# KiCad board TEST.kicad_pcb
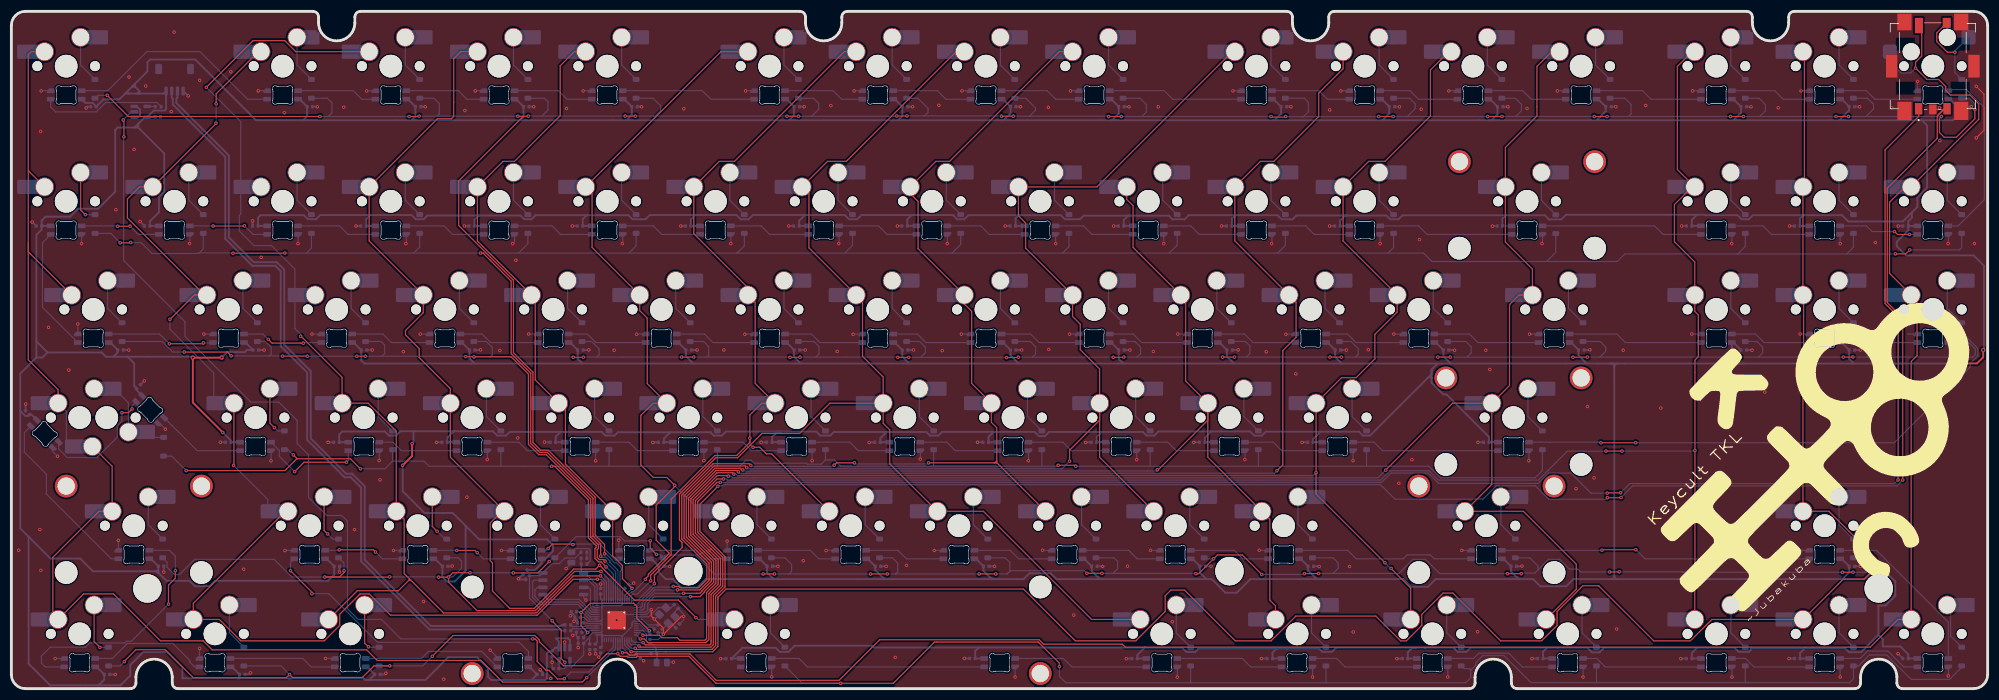
[diagram p0: board, top side]
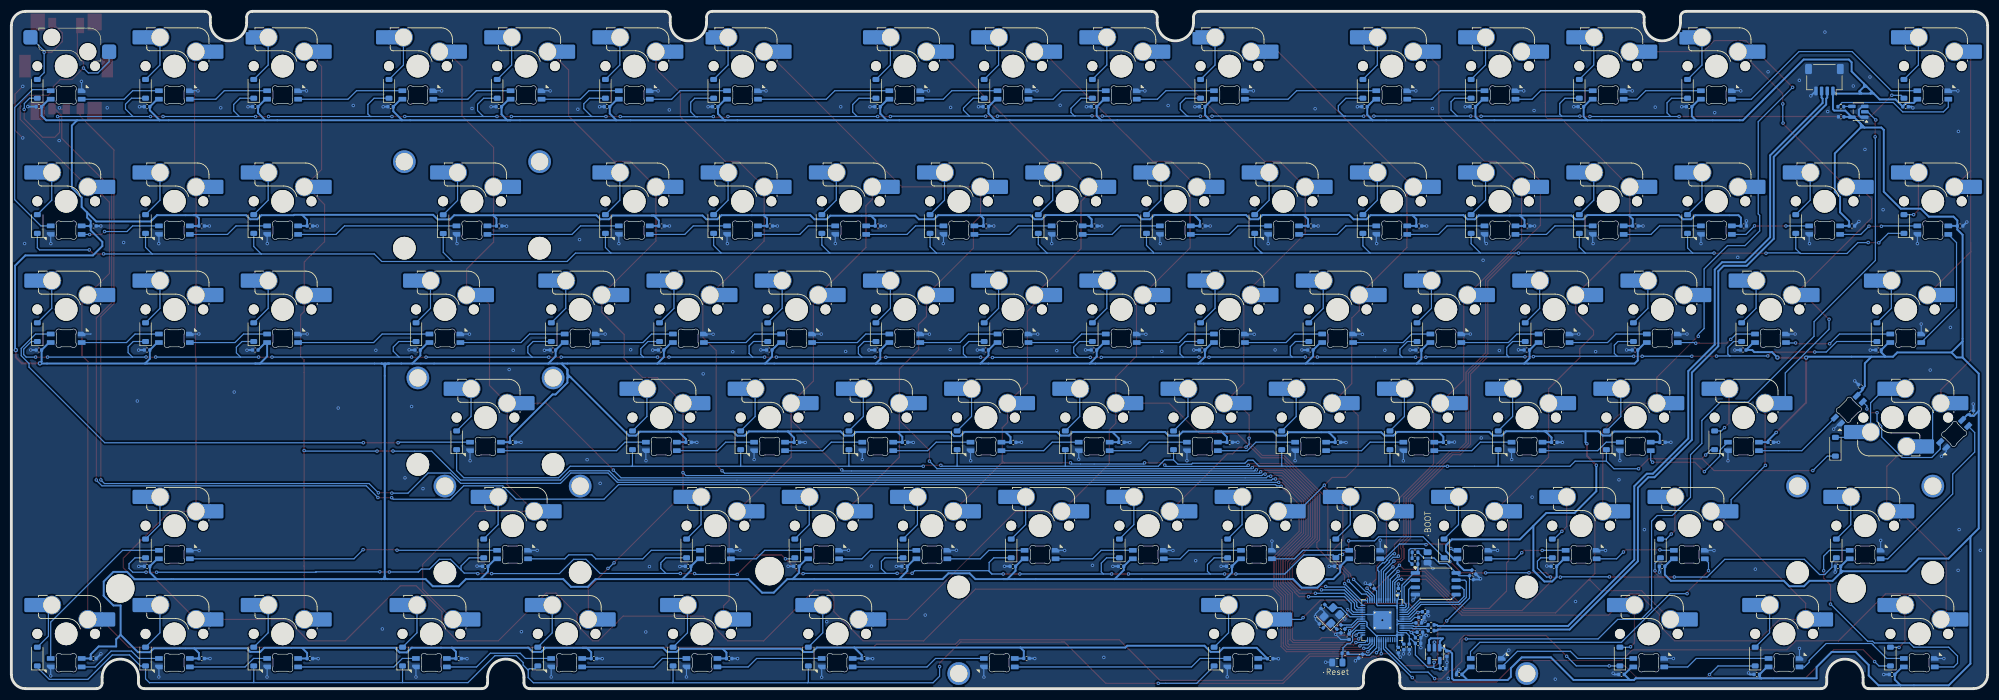
[diagram p1: board, bottom side, seen from below]

Outline 347.91 x 119.31 mm; copper layers: Top, Bottom. Coordinates in mm from the lower left corner of the outline.
Outline path: 0,116.81 arc(0.73,118.58) 2.5,119.31 53.08,119.31 arc(53.78,119.02) 54.08,118.31 54.08,117.31 arc(57.28,114.11) 60.48,117.31 60.48,118.31 arc(60.77,119.02) 61.47,119.31 138.8,119.31 arc(139.51,119.02) 139.8,118.31 139.8,117.31 arc(143,114.11) 146.2,117.31 146.2,118.31 arc(146.49,119.02) 147.2,119.31 224.53,119.31 arc(225.23,119.02) 225.53,118.31 225.53,117.31 arc(228.73,114.11) 231.93,117.31 231.93,118.31 arc(232.22,119.02) 232.92,119.31 305.49,119.31 arc(306.19,119.02) 306.49,118.31 306.49,117.31 arc(309.69,114.11) 312.89,117.31 312.89,118.31 arc(313.18,119.02) 313.89,119.31 345.41,119.31 arc(347.18,118.58) 347.91,116.81 347.91,2.5 arc(347.18,0.73) 345.41,0 332.94,0 arc(332.23,0.29) 331.94,1 331.94,2 arc(328.74,5.2) 325.54,2 325.54,1 arc(325.24,0.29) 324.54,0 265.07,0 arc(264.36,0.29) 264.07,1 264.07,2.01 arc(260.87,5.2) 257.67,2 257.67,1 arc(257.37,0.29) 256.66,0 110.89,0 arc(110.18,0.29) 109.89,1 109.89,2 arc(106.69,5.2) 103.49,2 103.49,1 arc(103.19,0.29) 102.49,0 29.33,0 arc(28.62,0.29) 28.33,1 28.33,2 arc(25.13,5.2) 21.93,2 21.93,1 arc(21.64,0.29) 20.93,0 2.5,0 arc(0.73,0.73) 0,2.5 0,116.81
Stack: Top 0.035mm / dielectric 1.51mm FR4 er 4.5 / Bottom 0.035mm

## Placement (name value [footprint] x y rotation side)
C1  100n  [C_0402_1005Metric]  25.79 100.73 180 bottom
C2  1u  [C_0402_1005Metric]  100.26 8.97 180 bottom
C3  100n  [C_0402_1005Metric]  99.02 13.54 180 bottom
C4  100n  [C_0402_1005Metric]  112.41 9.14 270 bottom
C5  100n  [C_0402_1005Metric]  99.95 9.95 180 bottom
C6  1u  [C_0402_1005Metric]  101.81 7.37 270 bottom
C7  100n  [C_0402_1005Metric]  110.37 5.72 315 bottom
C8  100n  [C_0402_1005Metric]  103.74 17.16 90 bottom
C9  100n  [C_0402_1005Metric]  113.5 10.16 315 bottom
C10  100n  [C_0402_1005Metric]  102.78 7.36 270 bottom
C11  100n  [C_0402_1005Metric]  108.36 18 45 bottom
C12  100n  [C_0402_1005Metric]  100.15 11.58 180 bottom
C13  100n  [C_0402_1005Metric]  100.27 7.98 180 bottom
C14  100n  [C_0402_1005Metric]  99.67 12.55 180 bottom
C15  100n  [C_0402_1005Metric]  103.75 6.78 270 bottom
C16  1u  [C_0402_1005Metric]  90.87 19.56 225 bottom
C17  10u  [C_0402_1005Metric]  95.89 3.52 180 bottom
C18  10u  [C_0402_1005Metric]  95.2 6.16 270 bottom
C19  22p  [C_0402_1005Metric]  117.3 11.05 225 bottom
C20  22p  [C_0402_1005Metric]  117.03 14.47 135 bottom
C-RGB1  100n  [C_0402_1005Metric]  14.45 102.52 0 bottom
C-RGB2  100n  [C_0402_1005Metric]  52.55 102.52 180 bottom
C-RGB3  100n  [C_0402_1005Metric]  71.6 102.52 180 bottom
C-RGB4  100n  [C_0402_1005Metric]  90.65 102.52 180 bottom
C-RGB5  100n  [C_0402_1005Metric]  109.7 102.52 180 bottom
C-RGB6  100n  [C_0402_1005Metric]  138.27 102.52 180 bottom
C-RGB7  100n  [C_0402_1005Metric]  157.33 102.52 180 bottom
C-RGB8  100n  [C_0402_1005Metric]  176.38 102.52 180 bottom
C-RGB9  100n  [C_0402_1005Metric]  195.43 102.52 180 bottom
C-RGB10  100n  [C_0402_1005Metric]  224 102.52 180 bottom
C-RGB11  100n  [C_0402_1005Metric]  243.05 102.52 180 bottom
C-RGB12  100n  [C_0402_1005Metric]  262.1 102.52 180 bottom
C-RGB13  100n  [C_0402_1005Metric]  281.15 102.52 180 bottom
C-RGB14  100n  [C_0402_1005Metric]  304.97 102.52 180 bottom
C-RGB15  100n  [C_0402_1005Metric]  324.02 102.52 180 bottom
C-RGB16  100n  [C_0402_1005Metric]  343.07 102.52 180 bottom
C-RGB17  100n  [C_0402_1005Metric]  4.85 81.5 0 bottom
C-RGB18  100n  [C_0402_1005Metric]  23.9 81.5 0 bottom
C-RGB19  100n  [C_0402_1005Metric]  42.95 81.5 0 bottom
C-RGB20  100n  [C_0402_1005Metric]  62 81.5 0 bottom
C-RGB21  100n  [C_0402_1005Metric]  81.05 81.5 0 bottom
C-RGB22  100n  [C_0402_1005Metric]  100.1 81.5 0 bottom
C-RGB23  100n  [C_0402_1005Metric]  119.15 81.5 0 bottom
C-RGB24  100n  [C_0402_1005Metric]  138.2 81.5 0 bottom
C-RGB25  100n  [C_0402_1005Metric]  157.25 81.5 0 bottom
C-RGB26  100n  [C_0402_1005Metric]  176.3 81.5 0 bottom
C-RGB27  100n  [C_0402_1005Metric]  195.35 81.5 0 bottom
C-RGB28  100n  [C_0402_1005Metric]  214.4 81.5 0 bottom
C-RGB29  100n  [C_0402_1005Metric]  233.45 81.5 0 bottom
C-RGB31  100n  [C_0402_1005Metric]  262.03 81.5 0 bottom
C-RGB32  100n  [C_0402_1005Metric]  295.36 81.5 0 bottom
C-RGB33  100n  [C_0402_1005Metric]  314.41 81.5 0 bottom
C-RGB34  100n  [C_0402_1005Metric]  333.46 81.5 0 bottom
C-RGB35  100n  [C_0402_1005Metric]  19.21 59.65 180 bottom
C-RGB36  100n  [C_0402_1005Metric]  43.02 59.65 180 bottom
C-RGB37  100n  [C_0402_1005Metric]  62.07 59.65 180 bottom
C-RGB38  100n  [C_0402_1005Metric]  81.12 59.65 180 bottom
C-RGB39  100n  [C_0402_1005Metric]  100.17 59.65 180 bottom
C-RGB40  100n  [C_0402_1005Metric]  119.22 59.65 180 bottom
C-RGB41  100n  [C_0402_1005Metric]  138.27 59.65 180 bottom
C-RGB42  100n  [C_0402_1005Metric]  157.33 59.65 180 bottom
C-RGB43  100n  [C_0402_1005Metric]  176.38 59.65 180 bottom
C-RGB44  100n  [C_0402_1005Metric]  195.43 59.65 180 bottom
C-RGB45  100n  [C_0402_1005Metric]  214.48 59.65 180 bottom
C-RGB46  100n  [C_0402_1005Metric]  233.53 59.65 180 bottom
C-RGB47  100n  [C_0402_1005Metric]  252.58 59.65 180 bottom
C-RGB48  100n  [C_0402_1005Metric]  276.39 59.65 180 bottom
C-RGB49  100n  [C_0402_1005Metric]  304.97 59.65 180 bottom
C-RGB50  100n  [C_0402_1005Metric]  324.02 59.65 180 bottom
C-RGB51  100n  [C_0402_1005Metric]  343.07 59.65 180 bottom
C-RGB52  100n  [C_0402_1005Metric]  22.38 53.2 225 bottom
C-RGB53  100n  [C_0402_1005Metric]  2.84 48.61 315 bottom
C-RGB54  100n  [C_0402_1005Metric]  38.19 43.4 0 bottom
C-RGB55  100n  [C_0402_1005Metric]  57.24 43.4 0 bottom
C-RGB56  100n  [C_0402_1005Metric]  76.29 43.4 0 bottom
C-RGB57  100n  [C_0402_1005Metric]  95.34 43.4 0 bottom
C-RGB58  100n  [C_0402_1005Metric]  114.39 43.4 0 bottom
C-RGB59  100n  [C_0402_1005Metric]  133.44 43.4 0 bottom
C-RGB60  100n  [C_0402_1005Metric]  152.49 43.4 0 bottom
C-RGB61  100n  [C_0402_1005Metric]  171.54 43.4 0 bottom
C-RGB62  100n  [C_0402_1005Metric]  190.59 43.4 0 bottom
C-RGB63  100n  [C_0402_1005Metric]  209.64 43.4 0 bottom
C-RGB64  100n  [C_0402_1005Metric]  228.69 43.4 0 bottom
C-RGB65  100n  [C_0402_1005Metric]  259.64 43.4 0 bottom
C-RGB66  100n  [C_0402_1005Metric]  26.35 21.55 180 bottom
C-RGB67  100n  [C_0402_1005Metric]  57.31 21.55 180 bottom
C-RGB68  100n  [C_0402_1005Metric]  76.36 21.55 180 bottom
C-RGB69  100n  [C_0402_1005Metric]  90.46 20.53 45 bottom
C-RGB70  100n  [C_0402_1005Metric]  114.46 21.55 180 bottom
C-RGB71  100n  [C_0402_1005Metric]  133.51 21.55 180 bottom
C-RGB72  100n  [C_0402_1005Metric]  152.56 21.55 180 bottom
C-RGB73  100n  [C_0402_1005Metric]  171.61 21.55 180 bottom
C-RGB74  100n  [C_0402_1005Metric]  190.66 21.55 180 bottom
C-RGB75  100n  [C_0402_1005Metric]  209.71 21.55 180 bottom
C-RGB76  100n  [C_0402_1005Metric]  228.76 21.55 180 bottom
C-RGB77  100n  [C_0402_1005Metric]  264.48 21.55 180 bottom
C-RGB78  100n  [C_0402_1005Metric]  324.02 21.55 180 bottom
C-RGB79  100n  [C_0402_1005Metric]  16.83 2.5 180 bottom
C-RGB80  100n  [C_0402_1005Metric]  40.64 2.5 180 bottom
C-RGB81  100n  [C_0402_1005Metric]  64.45 2.5 180 bottom
C-RGB82  100n  [C_0402_1005Metric]  93.03 2.5 180 bottom
C-RGB83  100n  [C_0402_1005Metric]  197.73 5.3 0 bottom
C-RGB84  100n  [C_0402_1005Metric]  221.54 5.3 0 bottom
C-RGB85  100n  [C_0402_1005Metric]  245.36 5.3 0 bottom
C-RGB86  100n  [C_0402_1005Metric]  269.17 5.3 0 bottom
C-RGB87  100n  [C_0402_1005Metric]  295.36 5.3 0 bottom
C-RGB88  100n  [C_0402_1005Metric]  314.41 5.3 0 bottom
C-RGB89  100n  [C_0402_1005Metric]  333.46 5.3 0 bottom
C-RGB90  100n  [C_0402_1005Metric]  169.2 5.33 0 bottom
C-RGB92  100n  [C_0402_1005Metric]  126.3 5.28 0 bottom
D1  1N4148W  [D_SOD-123]  14.73 105.66 90 bottom
D2  1N4148W  [D_SOD-123]  52.83 105.66 90 bottom
D3  1N4148W  [D_SOD-123]  71.88 105.66 90 bottom
D4  1N4148W  [D_SOD-123]  90.93 105.66 90 bottom
D5  1N4148W  [D_SOD-123]  109.98 105.66 90 bottom
D6  1N4148W  [D_SOD-123]  138.56 105.66 90 bottom
D7  1N4148W  [D_SOD-123]  157.61 105.66 90 bottom
D8  1N4148W  [D_SOD-123]  176.66 105.66 90 bottom
D9  1N4148W  [D_SOD-123]  195.71 105.66 90 bottom
D10  1N4148W  [D_SOD-123]  224.28 105.66 90 bottom
D11  1N4148W  [D_SOD-123]  243.33 105.66 90 bottom
D12  1N4148W  [D_SOD-123]  262.38 105.66 90 bottom
D13  1N4148W  [D_SOD-123]  281.43 105.66 90 bottom
D14  1N4148W  [D_SOD-123]  305.24 105.66 90 bottom
D15  1N4148W  [D_SOD-123]  324.29 105.66 90 bottom
D16  1N4148W  [D_SOD-123]  343.34 105.66 90 bottom
D17  1N4148W  [D_SOD-123]  14.73 81.85 90 bottom
D18  1N4148W  [D_SOD-123]  33.78 81.85 90 bottom
D19  1N4148W  [D_SOD-123]  52.83 81.85 90 bottom
D20  1N4148W  [D_SOD-123]  71.88 81.85 90 bottom
D21  1N4148W  [D_SOD-123]  90.93 81.85 90 bottom
D22  1N4148W  [D_SOD-123]  109.98 81.85 90 bottom
D23  1N4148W  [D_SOD-123]  129.03 81.85 90 bottom
D24  1N4148W  [D_SOD-123]  148.08 81.85 90 bottom
D25  1N4148W  [D_SOD-123]  167.13 81.85 90 bottom
D26  1N4148W  [D_SOD-123]  186.18 81.85 90 bottom
D27  1N4148W  [D_SOD-123]  205.23 81.85 90 bottom
D28  1N4148W  [D_SOD-123]  224.28 81.85 90 bottom
D29  1N4148W  [D_SOD-123]  243.33 81.85 90 bottom
D31  1N4148W  [D_SOD-123]  271.88 81.83 90 bottom
D32  1N4148W  [D_SOD-123]  305.24 81.85 90 bottom
D33  1N4148W  [D_SOD-123]  324.29 81.85 90 bottom
D34  1N4148W  [D_SOD-123]  343.34 81.85 90 bottom
D35  1N4148W  [D_SOD-123]  19.49 62.8 90 bottom
D36  1N4148W  [D_SOD-123]  43.31 62.8 90 bottom
D37  1N4148W  [D_SOD-123]  62.36 62.8 90 bottom
D38  1N4148W  [D_SOD-123]  81.41 62.8 90 bottom
D39  1N4148W  [D_SOD-123]  100.46 62.8 90 bottom
D40  1N4148W  [D_SOD-123]  119.51 62.8 90 bottom
D41  1N4148W  [D_SOD-123]  138.56 62.8 90 bottom
D42  1N4148W  [D_SOD-123]  157.61 62.8 90 bottom
D43  1N4148W  [D_SOD-123]  176.66 62.8 90 bottom
D44  1N4148W  [D_SOD-123]  195.71 62.8 90 bottom
D45  1N4148W  [D_SOD-123]  214.76 62.8 90 bottom
D46  1N4148W  [D_SOD-123]  233.81 62.8 90 bottom
D47  1N4148W  [D_SOD-123]  252.86 62.8 90 bottom
D48  1N4148W  [D_SOD-123]  276.67 62.8 90 bottom
D49  1N4148W  [D_SOD-123]  305.24 62.8 90 bottom
D50  1N4148W  [D_SOD-123]  324.29 62.8 90 bottom
D51  1N4148W  [D_SOD-123]  343.34 62.8 90 bottom
D53  1N4148W  [D_SOD-123]  26.8 42.61 90 bottom
D54  1N4148W  [D_SOD-123]  48.07 43.75 90 bottom
D55  1N4148W  [D_SOD-123]  67.12 43.75 90 bottom
D56  1N4148W  [D_SOD-123]  86.17 43.75 90 bottom
D57  1N4148W  [D_SOD-123]  105.22 43.75 90 bottom
D58  1N4148W  [D_SOD-123]  124.27 43.75 90 bottom
D59  1N4148W  [D_SOD-123]  143.32 43.75 90 bottom
D60  1N4148W  [D_SOD-123]  162.37 43.75 90 bottom
D61  1N4148W  [D_SOD-123]  181.42 43.75 90 bottom
D62  1N4148W  [D_SOD-123]  200.47 43.75 90 bottom
D63  1N4148W  [D_SOD-123]  219.52 43.75 90 bottom
D64  1N4148W  [D_SOD-123]  238.57 43.75 90 bottom
D65  1N4148W  [D_SOD-123]  269.52 43.75 90 bottom
D66  1N4148W  [D_SOD-123]  26.64 24.7 90 bottom
D67  1N4148W  [D_SOD-123]  57.59 24.7 90 bottom
D68  1N4148W  [D_SOD-123]  76.64 24.7 90 bottom
D69  1N4148W  [D_SOD-123]  95.69 24.7 90 bottom
D70  1N4148W  [D_SOD-123]  114.74 24.7 90 bottom
D71  1N4148W  [D_SOD-123]  133.79 24.7 90 bottom
D72  1N4148W  [D_SOD-123]  152.84 24.7 90 bottom
D73  1N4148W  [D_SOD-123]  171.89 24.7 90 bottom
D74  1N4148W  [D_SOD-123]  190.94 24.7 90 bottom
D75  1N4148W  [D_SOD-123]  209.99 24.7 90 bottom
D76  1N4148W  [D_SOD-123]  229.04 24.7 90 bottom
D77  1N4148W  [D_SOD-123]  264.76 24.7 90 bottom
D78  1N4148W  [D_SOD-123]  324.29 24.7 90 bottom
D79  1N4148W  [D_SOD-123]  17.11 5.65 90 bottom
D80  1N4148W  [D_SOD-123]  40.92 5.65 90 bottom
D81  1N4148W  [D_SOD-123]  64.74 5.65 90 bottom
D82  1N4148W  [D_SOD-123]  136.17 5.65 90 bottom
D83  1N4148W  [D_SOD-123]  207.61 5.65 90 bottom
D84  1N4148W  [D_SOD-123]  231.42 5.65 90 bottom
D85  1N4148W  [D_SOD-123]  255.24 5.65 90 bottom
D86  1N4148W  [D_SOD-123]  279.05 5.65 90 bottom
D87  1N4148W  [D_SOD-123]  305.24 5.65 90 bottom
D88  1N4148W  [D_SOD-123]  324.29 5.65 90 bottom
D89  1N4148W  [D_SOD-123]  343.34 5.65 90 bottom
J1  JST - 1.00mm 4 Pin  [JST_SH_SM04B-SRSS-TB_1x04-1MP_P1.00mm_Horizontal]  28.73 107.28 0 bottom
LED1  MX_SK6812MINI-E  [LED_MX_6028R-ROT]  9.65 104.58 180 bottom
LED2  MX_SK6812MINI-E  [LED_MX_6028R-ROT]  47.75 104.58 180 bottom
LED3  MX_SK6812MINI-E  [LED_MX_6028R-ROT]  66.8 104.58 180 bottom
LED4  MX_SK6812MINI-E  [LED_MX_6028R-ROT]  85.85 104.58 180 bottom
LED5  MX_SK6812MINI-E  [LED_MX_6028R-ROT]  104.9 104.58 180 bottom
LED6  MX_SK6812MINI-E  [LED_MX_6028R-ROT]  133.48 104.58 180 bottom
LED7  MX_SK6812MINI-E  [LED_MX_6028R-ROT]  152.53 104.58 180 bottom
LED8  MX_SK6812MINI-E  [LED_MX_6028R-ROT]  171.58 104.58 180 bottom
LED9  MX_SK6812MINI-E  [LED_MX_6028R-ROT]  190.63 104.58 180 bottom
LED10  MX_SK6812MINI-E  [LED_MX_6028R-ROT]  219.2 104.58 180 bottom
LED11  MX_SK6812MINI-E  [LED_MX_6028R-ROT]  238.25 104.58 180 bottom
LED12  MX_SK6812MINI-E  [LED_MX_6028R-ROT]  257.3 104.58 180 bottom
LED13  MX_SK6812MINI-E  [LED_MX_6028R-ROT]  276.35 104.58 180 bottom
LED14  MX_SK6812MINI-E  [LED_MX_6028R-ROT]  300.16 104.58 180 bottom
LED15  MX_SK6812MINI-E  [LED_MX_6028R-ROT]  319.21 104.58 180 bottom
LED16  MX_SK6812MINI-E  [LED_MX_6028R-ROT]  338.26 104.58 180 bottom
LED17  MX_SK6812MINI-E  [LED_MX_6028R]  9.65 80.77 180 bottom
LED18  MX_SK6812MINI-E  [LED_MX_6028R]  28.7 80.77 180 bottom
LED19  MX_SK6812MINI-E  [LED_MX_6028R]  47.75 80.77 180 bottom
LED20  MX_SK6812MINI-E  [LED_MX_6028R]  66.8 80.77 180 bottom
LED21  MX_SK6812MINI-E  [LED_MX_6028R]  85.85 80.77 180 bottom
LED22  MX_SK6812MINI-E  [LED_MX_6028R]  104.9 80.77 180 bottom
LED23  MX_SK6812MINI-E  [LED_MX_6028R]  123.95 80.77 180 bottom
LED24  MX_SK6812MINI-E  [LED_MX_6028R]  143 80.77 180 bottom
LED25  MX_SK6812MINI-E  [LED_MX_6028R]  162.05 80.77 180 bottom
LED26  MX_SK6812MINI-E  [LED_MX_6028R]  181.1 80.77 180 bottom
LED27  MX_SK6812MINI-E  [LED_MX_6028R]  200.15 80.77 180 bottom
LED28  MX_SK6812MINI-E  [LED_MX_6028R]  219.2 80.77 180 bottom
LED29  MX_SK6812MINI-E  [LED_MX_6028R]  238.25 80.77 180 bottom
LED31  MX_SK6812MINI-E  [LED_MX_6028R]  266.83 80.77 180 bottom
LED32  MX_SK6812MINI-E  [LED_MX_6028R]  300.16 80.77 180 bottom
LED33  MX_SK6812MINI-E  [LED_MX_6028R]  319.21 80.77 180 bottom
LED34  MX_SK6812MINI-E  [LED_MX_6028R]  338.26 80.77 180 bottom
LED35  MX_SK6812MINI-E  [LED_MX_6028R-ROT]  14.41 61.72 180 bottom
LED36  MX_SK6812MINI-E  [LED_MX_6028R-ROT]  38.23 61.72 180 bottom
LED37  MX_SK6812MINI-E  [LED_MX_6028R-ROT]  57.28 61.72 180 bottom
LED38  MX_SK6812MINI-E  [LED_MX_6028R-ROT]  76.33 61.72 180 bottom
LED39  MX_SK6812MINI-E  [LED_MX_6028R-ROT]  95.38 61.72 180 bottom
LED40  MX_SK6812MINI-E  [LED_MX_6028R-ROT]  114.43 61.72 180 bottom
LED41  MX_SK6812MINI-E  [LED_MX_6028R-ROT]  133.48 61.72 180 bottom
LED42  MX_SK6812MINI-E  [LED_MX_6028R-ROT]  152.53 61.72 180 bottom
LED43  MX_SK6812MINI-E  [LED_MX_6028R-ROT]  171.58 61.72 180 bottom
LED44  MX_SK6812MINI-E  [LED_MX_6028R-ROT]  190.63 61.72 180 bottom
LED45  MX_SK6812MINI-E  [LED_MX_6028R-ROT]  209.68 61.72 180 bottom
LED46  MX_SK6812MINI-E  [LED_MX_6028R-ROT]  228.73 61.72 180 bottom
LED47  MX_SK6812MINI-E  [LED_MX_6028R-ROT]  247.78 61.72 180 bottom
LED48  MX_SK6812MINI-E  [LED_MX_6028R-ROT]  271.59 61.72 180 bottom
LED49  MX_SK6812MINI-E  [LED_MX_6028R-ROT]  300.16 61.72 180 bottom
LED50  MX_SK6812MINI-E  [LED_MX_6028R-ROT]  319.21 61.72 180 bottom
LED51  MX_SK6812MINI-E  [LED_MX_6028R-ROT]  338.26 61.72 180 bottom
LED52  MX_SK6812MINI-E  [LED_MX_6028R]  24.44 49.13 135 bottom
LED53  MX_SK6812MINI-E  [LED_MX_6028R]  5.89 44.87 135 bottom
LED54  MX_SK6812MINI-E  [LED_MX_6028R]  42.99 42.67 180 bottom
LED55  MX_SK6812MINI-E  [LED_MX_6028R]  62.04 42.67 180 bottom
LED56  MX_SK6812MINI-E  [LED_MX_6028R]  81.09 42.67 180 bottom
LED57  MX_SK6812MINI-E  [LED_MX_6028R]  100.14 42.67 180 bottom
LED58  MX_SK6812MINI-E  [LED_MX_6028R]  119.19 42.67 180 bottom
LED59  MX_SK6812MINI-E  [LED_MX_6028R]  138.24 42.67 180 bottom
LED60  MX_SK6812MINI-E  [LED_MX_6028R]  157.29 42.67 180 bottom
LED61  MX_SK6812MINI-E  [LED_MX_6028R]  176.34 42.67 180 bottom
LED62  MX_SK6812MINI-E  [LED_MX_6028R]  195.39 42.67 180 bottom
LED63  MX_SK6812MINI-E  [LED_MX_6028R]  214.44 42.67 180 bottom
LED64  MX_SK6812MINI-E  [LED_MX_6028R]  233.49 42.67 180 bottom
LED65  MX_SK6812MINI-E  [LED_MX_6028R]  264.44 42.67 180 bottom
LED66  MX_SK6812MINI-E  [LED_MX_6028R-ROT]  21.56 23.62 180 bottom
LED67  MX_SK6812MINI-E  [LED_MX_6028R-ROT]  52.51 23.62 180 bottom
LED68  MX_SK6812MINI-E  [LED_MX_6028R-ROT]  71.56 23.62 180 bottom
LED69  MX_SK6812MINI-E  [LED_MX_6028R-ROT]  90.61 23.62 180 bottom
LED70  MX_SK6812MINI-E  [LED_MX_6028R-ROT]  109.66 23.62 180 bottom
LED71  MX_SK6812MINI-E  [LED_MX_6028R-ROT]  128.71 23.62 180 bottom
LED72  MX_SK6812MINI-E  [LED_MX_6028R-ROT]  147.76 23.62 180 bottom
LED73  MX_SK6812MINI-E  [LED_MX_6028R-ROT]  166.81 23.62 180 bottom
LED74  MX_SK6812MINI-E  [LED_MX_6028R-ROT]  185.86 23.62 180 bottom
LED75  MX_SK6812MINI-E  [LED_MX_6028R-ROT]  204.91 23.62 180 bottom
LED76  MX_SK6812MINI-E  [LED_MX_6028R-ROT]  223.96 23.62 180 bottom
LED77  MX_SK6812MINI-E  [LED_MX_6028R-ROT]  259.68 23.62 180 bottom
LED78  MX_SK6812MINI-E  [LED_MX_6028R-ROT]  319.21 23.62 180 bottom
LED79  MX_SK6812MINI-E  [LED_MX_6028R-ROT]  12.03 4.57 180 bottom
LED80  MX_SK6812MINI-E  [LED_MX_6028R-ROT]  35.84 4.57 180 bottom
LED81  MX_SK6812MINI-E  [LED_MX_6028R-ROT]  59.66 4.57 180 bottom
LED82  MX_SK6812MINI-E  [LED_MX_6028R-ROT]  88.27 4.57 180 bottom
LED83  MX_SK6812MINI-E  [LED_MX_6028R]  202.53 4.57 180 bottom
LED84  MX_SK6812MINI-E  [LED_MX_6028R]  226.34 4.57 180 bottom
LED85  MX_SK6812MINI-E  [LED_MX_6028R]  250.16 4.57 180 bottom
LED86  MX_SK6812MINI-E  [LED_MX_6028R]  273.97 4.57 180 bottom
LED87  MX_SK6812MINI-E  [LED_MX_6028R]  300.16 4.57 180 bottom
LED88  MX_SK6812MINI-E  [LED_MX_6028R]  319.21 4.57 180 bottom
LED89  MX_SK6812MINI-E  [LED_MX_6028R]  338.26 4.57 180 bottom
LED90  MX_SK6812MINI-E  [LED_MX_6028R]  173.99 4.57 180 bottom
LED92  MX_SK6812MINI-E  [LED_MX_6028R]  131.13 4.57 180 bottom
logo  logo  [LOGO]  318.22 41.63 315 top
MX1  ~  [SW_MX_HS_CPG151101S11_1u]  9.65 109.66 180 bottom
MX2  ~  [SW_MX_HS_CPG151101S11_1u#2]  47.75 109.66 180 bottom
MX3  ~  [SW_MX_HS_CPG151101S11_1u]  66.8 109.66 180 bottom
MX4  ~  [SW_MX_HS_CPG151101S11_1u]  85.85 109.66 180 bottom
MX5  ~  [SW_MX_HS_CPG151101S11_1u]  104.9 109.66 180 bottom
MX6  ~  [SW_MX_HS_CPG151101S11_1u#2]  133.48 109.66 180 bottom
MX7  ~  [SW_MX_HS_CPG151101S11_1u]  152.53 109.66 180 bottom
MX8  ~  [SW_MX_HS_CPG151101S11_1u]  171.58 109.66 180 bottom
MX9  ~  [SW_MX_HS_CPG151101S11_1u]  190.63 109.66 180 bottom
MX10  ~  [SW_MX_HS_CPG151101S11_1u#2]  219.2 109.66 180 bottom
MX11  ~  [SW_MX_HS_CPG151101S11_1u]  238.25 109.66 180 bottom
MX12  ~  [SW_MX_HS_CPG151101S11_1u]  257.3 109.66 180 bottom
MX13  ~  [SW_MX_HS_CPG151101S11_1u]  276.35 109.66 180 bottom
MX14  ~  [SW_MX_HS_CPG151101S11_1u#2]  300.16 109.66 180 bottom
MX15  ~  [SW_MX_HS_CPG151101S11_1u]  319.21 109.66 180 bottom
MX16  ~  [SW_MX_HotSwap_THT]  338.26 109.66 0 bottom
MX17  ~  [SW_MX_HS_CPG151101S11_1u]  9.65 85.85 180 bottom
MX18  ~  [SW_MX_HS_CPG151101S11_1u]  28.7 85.85 180 bottom
MX19  ~  [SW_MX_HS_CPG151101S11_1u]  47.75 85.85 180 bottom
MX20  ~  [SW_MX_HS_CPG151101S11_1u]  66.8 85.85 180 bottom
MX21  ~  [SW_MX_HS_CPG151101S11_1u]  85.85 85.85 180 bottom
MX22  ~  [SW_MX_HS_CPG151101S11_1u]  104.9 85.85 180 bottom
MX23  ~  [SW_MX_HS_CPG151101S11_1u]  123.95 85.85 180 bottom
MX24  ~  [SW_MX_HS_CPG151101S11_1u]  143 85.85 180 bottom
MX25  ~  [SW_MX_HS_CPG151101S11_1u]  162.05 85.85 180 bottom
MX26  ~  [SW_MX_HS_CPG151101S11_1u]  181.1 85.85 180 bottom
MX27  ~  [SW_MX_HS_CPG151101S11_1u]  200.15 85.85 180 bottom
MX28  ~  [SW_MX_HS_CPG151101S11_1u]  219.2 85.85 180 bottom
MX29  ~  [SW_MX_HS_CPG151101S11_1u]  238.25 85.85 180 bottom
MX31  ~  [SW_MX_HS_CPG151101S11_1u]  266.83 85.85 180 bottom
MX32  ~  [SW_MX_HS_CPG151101S11_1u]  300.16 85.85 180 bottom
MX33  ~  [SW_MX_HS_CPG151101S11_1u]  319.21 85.85 180 bottom
MX34  ~  [SW_MX_HS_CPG151101S11_1u]  338.26 85.85 180 bottom
MX35  ~  [SW_MX_HS_CPG151101S11_1.5u]  14.41 66.8 180 bottom
MX36  ~  [SW_MX_HS_CPG151101S11_1u]  38.23 66.8 180 bottom
MX37  ~  [SW_MX_HS_CPG151101S11_1u]  57.28 66.8 180 bottom
MX38  ~  [SW_MX_HS_CPG151101S11_1u]  76.33 66.8 180 bottom
MX39  ~  [SW_MX_HS_CPG151101S11_1u]  95.38 66.8 180 bottom
MX40  ~  [SW_MX_HS_CPG151101S11_1u]  114.43 66.8 180 bottom
MX41  ~  [SW_MX_HS_CPG151101S11_1u]  133.48 66.8 180 bottom
MX42  ~  [SW_MX_HS_CPG151101S11_1u]  152.53 66.8 180 bottom
MX43  ~  [SW_MX_HS_CPG151101S11_1u]  171.58 66.8 180 bottom
MX44  ~  [SW_MX_HS_CPG151101S11_1u]  190.63 66.8 180 bottom
MX45  ~  [SW_MX_HS_CPG151101S11_1u]  209.68 66.8 180 bottom
MX46  ~  [SW_MX_HS_CPG151101S11_1u]  228.73 66.8 180 bottom
MX47  ~  [SW_MX_HS_CPG151101S11_1u]  247.78 66.8 180 bottom
MX48  ~  [SW_MX_HS_CPG151101S11_1u]  271.59 66.8 180 bottom
MX49  ~  [SW_MX_HS_CPG151101S11_1u]  300.16 66.8 180 bottom
MX50  ~  [SW_MX_HS_CPG151101S11_1u]  319.21 66.8 180 bottom
MX51  ~  [SW_MX_HS_CPG151101S11_1u]  338.26 66.8 180 bottom
MX52  ~  [SW_MX_HS_CPG151101S11_1.75u_STP_1.25]  16.79 47.75 0 bottom
MX53  ~  [SW_MX_HS_CPG151101S11_1u]  12.03 47.75 180 bottom
MX54  ~  [SW_MX_HS_CPG151101S11_1u]  42.99 47.75 180 bottom
MX55  ~  [SW_MX_HS_CPG151101S11_1u]  62.04 47.75 180 bottom
MX56  ~  [SW_MX_HS_CPG151101S11_1u]  81.09 47.75 180 bottom
MX57  ~  [SW_MX_HS_CPG151101S11_1u]  100.14 47.75 180 bottom
MX58  ~  [SW_MX_HS_CPG151101S11_1u]  119.19 47.75 180 bottom
MX59  ~  [SW_MX_HS_CPG151101S11_1u]  138.24 47.75 180 bottom
MX60  ~  [SW_MX_HS_CPG151101S11_1u]  157.29 47.75 180 bottom
MX61  ~  [SW_MX_HS_CPG151101S11_1u]  176.34 47.75 180 bottom
MX62  ~  [SW_MX_HS_CPG151101S11_1u]  195.39 47.75 180 bottom
MX63  ~  [SW_MX_HS_CPG151101S11_1u]  214.44 47.75 180 bottom
MX64  ~  [SW_MX_HS_CPG151101S11_1u]  233.49 47.75 180 bottom
MX65  ~  [SW_MX_HS_CPG151101S11_1u]  264.44 47.75 180 bottom
MX66  ~  [SW_MX_HS_CPG151101S11_1u]  21.56 28.7 180 bottom
MX67  ~  [SW_MX_HS_CPG151101S11_1u]  52.51 28.7 180 bottom
MX68  ~  [SW_MX_HS_CPG151101S11_1u]  71.56 28.7 180 bottom
MX69  ~  [SW_MX_HS_CPG151101S11_1u]  90.61 28.7 180 bottom
MX70  ~  [SW_MX_HS_CPG151101S11_1u]  109.66 28.7 180 bottom
MX71  ~  [SW_MX_HS_CPG151101S11_1u]  128.71 28.7 180 bottom
MX72  ~  [SW_MX_HS_CPG151101S11_1u]  147.76 28.7 180 bottom
MX73  ~  [SW_MX_HS_CPG151101S11_1u]  166.81 28.7 180 bottom
MX74  ~  [SW_MX_HS_CPG151101S11_1u]  185.86 28.7 180 bottom
MX75  ~  [SW_MX_HS_CPG151101S11_1u]  204.91 28.7 180 bottom
MX76  ~  [SW_MX_HS_CPG151101S11_1u]  223.96 28.7 180 bottom
MX77  ~  [SW_MX_HS_CPG151101S11_1u]  259.68 28.7 180 bottom
MX78  ~  [SW_MX_HS_CPG151101S11_1u]  319.21 28.7 180 bottom
MX79  ~  [SW_MX_HS_CPG151101S11_1u]  12.03 9.65 180 bottom
MX80  ~  [SW_MX_HS_CPG151101S11_1u]  35.84 9.65 180 bottom
MX81  ~  [SW_MX_HS_CPG151101S11_1u]  59.66 9.65 180 bottom
MX82  ~  [SW_MX_HS_CPG151101S11_1u]  131.09 9.65 180 bottom
MX83  ~  [SW_MX_HS_CPG151101S11_1u]  202.53 9.65 180 bottom
MX84  ~  [SW_MX_HS_CPG151101S11_1u]  226.34 9.65 180 bottom
MX85  ~  [SW_MX_HS_CPG151101S11_1u]  250.16 9.65 180 bottom
MX86  ~  [SW_MX_HS_CPG151101S11_1u]  273.97 9.65 180 bottom
MX87  ~  [SW_MX_HS_CPG151101S11_1u]  300.16 9.65 180 bottom
MX88  ~  [SW_MX_HS_CPG151101S11_1u]  319.21 9.65 180 bottom
MX89  ~  [SW_MX_HS_CPG151101S11_1u]  338.26 9.65 180 bottom
R1  ~  [R_0402_1005Metric]  25.84 102.52 0 bottom
R2  5.1k  [R_0402_1005Metric]  113.14 6.24 0 bottom
R3  5.1k  [R_0402_1005Metric]  100.8 24.04 0 bottom
R4  5.1k  [R_0402_1005Metric]  100.81 22.97 180 bottom
R5  1k  [R_0402_1005Metric]  100.82 21.94 180 bottom
R6  27  [R_0402_1005Metric]  97.97 11.23 180 bottom
R7  27  [R_0402_1005Metric]  97.97 10.23 0 bottom
R8  1k  [R_0402_1005Metric]  114.21 10.86 135 bottom
REF**  -  [MountingHole_5mm]  328.74 17.65 0 top
REF**#2  -  [MountingHole_5mm]  119.19 20.7 0 top
REF**#3  -  [MountingHole_5mm]  214.44 20.7 0 top
REF**#4  -  [STAB_MX_P_2.25u]  21.56 28.7 0 top
REF**#5  -  [STAB_MX_P_6.25u]  131.13 9.65 180 top
REF**#6  -  [MountingHole_5mm]  23.94 17.65 0 top
REF**#7  -  [STAB_MX_P_2.25u]  264.44 47.75 0 top
REF**#8  -  [STAB_MX_P_2.75u]  259.68 28.7 0 top
REF**#9  -  [STAB_MX_P_2u]  266.83 85.85 0 top
S1  RotaryEncoder_Switch_MP  [XDCR_EC11J1520402]  338.26 109.66 0 top
TP1  Reset  [R_0805_2012Metric]  114.49 4.6 180 bottom
TP2  Boot  [R_0805_2012Metric]  98.59 23.12 90 bottom
U1  74AHCT1G125  [SOT-23-5]  22.77 101.62 0 bottom
U2  W25Q128JVSIQ  [SOIC-8_5.3x5.3mm_P1.27mm]  97.16 18.48 180 bottom
U3  RP2040  [QFN-56-1EP_7x7mm_P0.4mm_EP3.2x3.2mm_ThermalVias]  106.56 12.06 270 bottom